# Altium PCB AmbiqAndromeda.PcbDoc (continued)
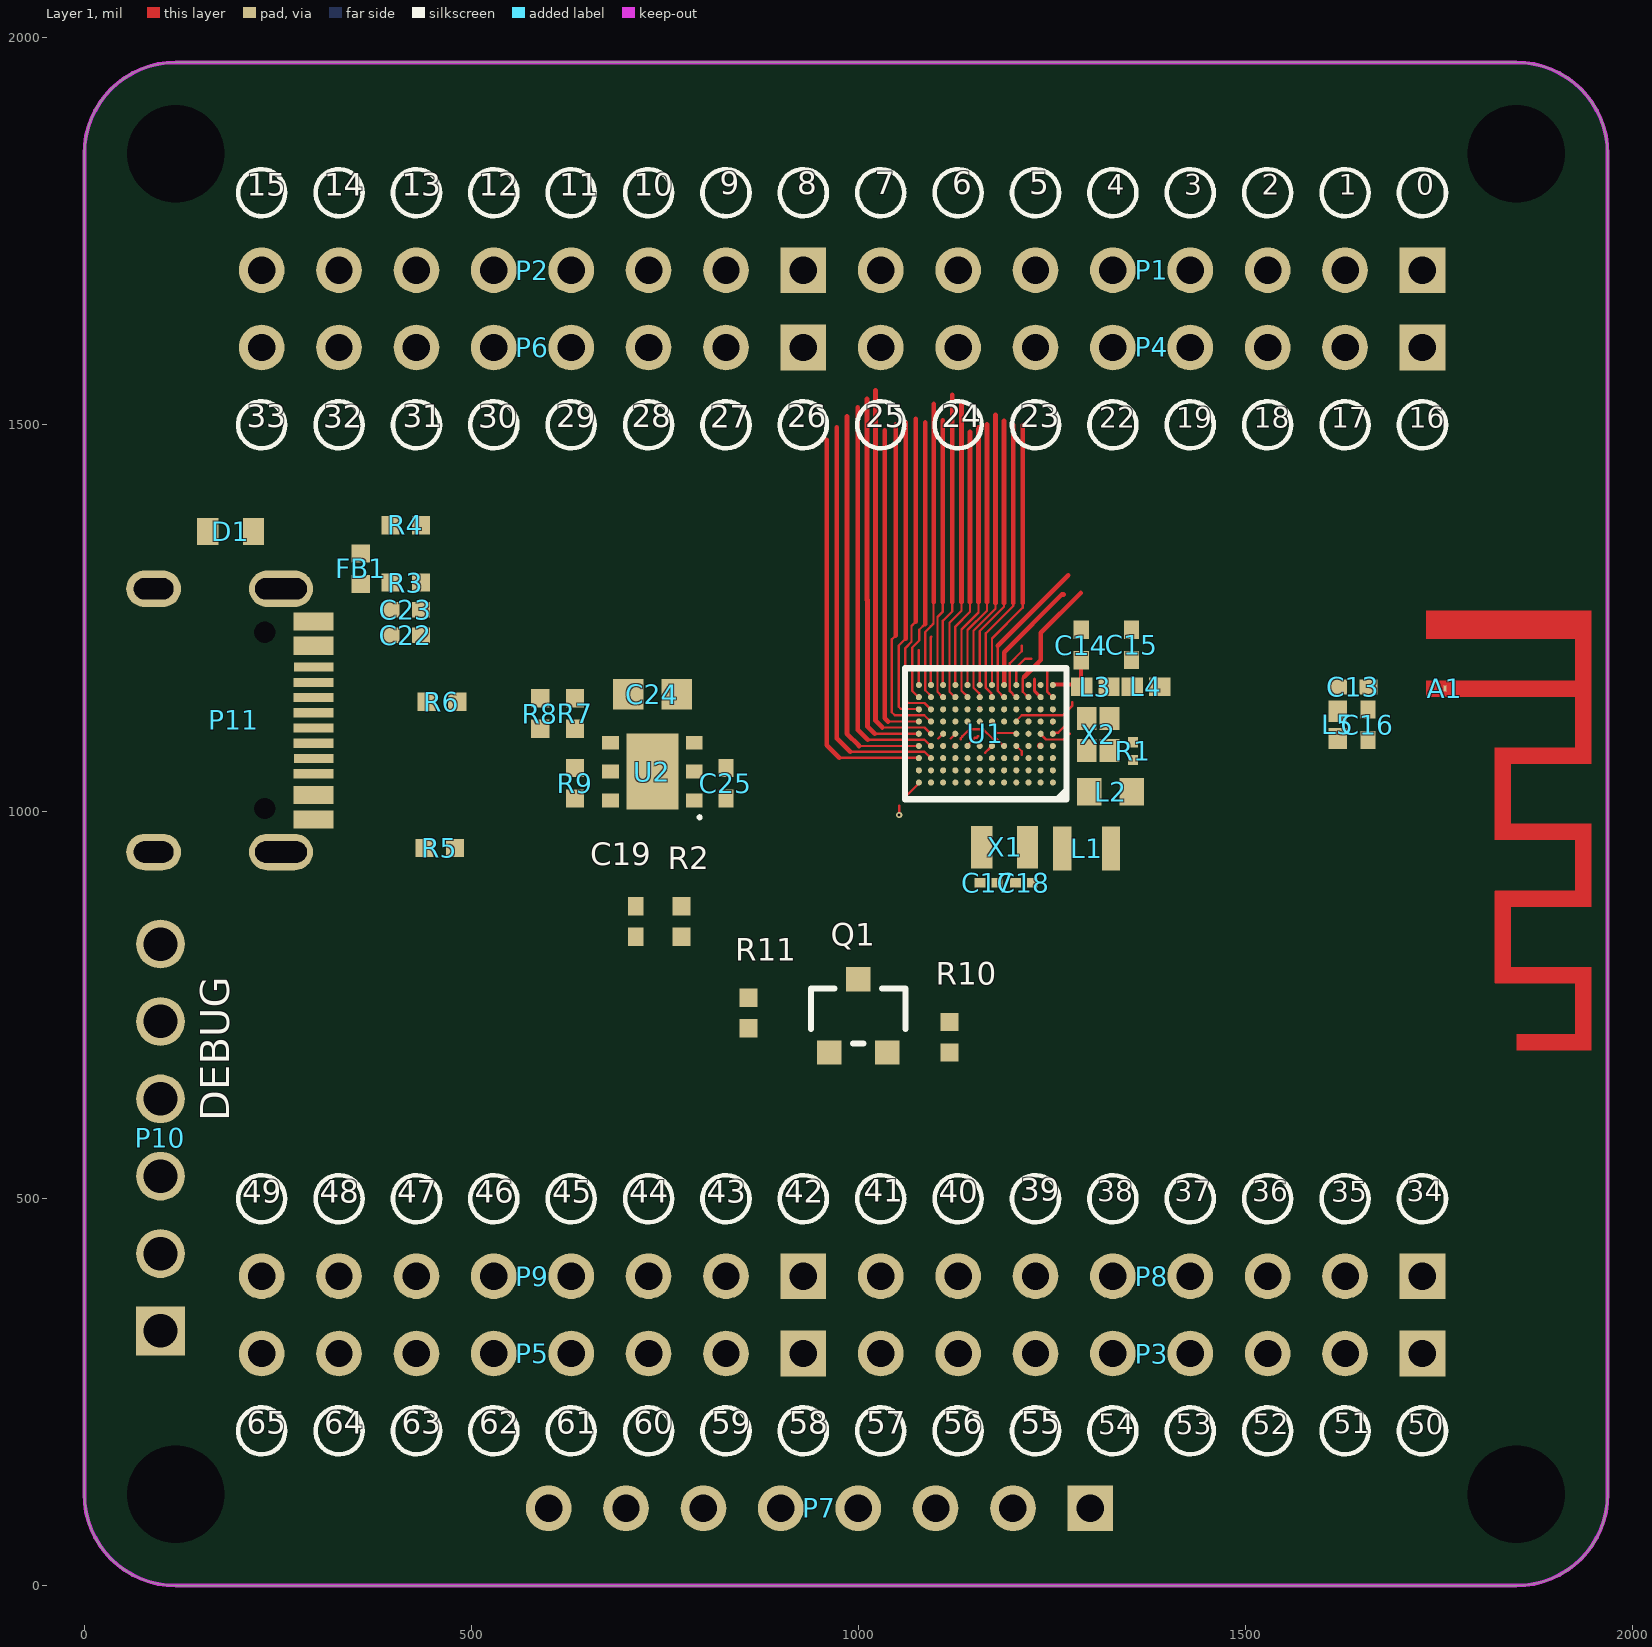
[diagram p0: Layer 1 view]
## Components (designator, comment, footprint, x,y, rotation, side; value= is the part's Value field where it differs from the comment)
A1 "PCB MIFA Antenna" MIFA_AMBIQ 1748.03,984.25 r270 top net-tie
C1 "47nF" CAPC0603L#1 1264.03,1117.11 r180 bottom
C2 "1uF" CAPC0603L#1 1264.24,1033.42 r180 bottom
C3 "1uF" CAPC0603L#1 1171.24,1102.42 r90 bottom
C4 "1uF" CAPC0603L#1 1198.24,1102.42 r270 bottom
C5 "1uF" CAPC0603L#1 1212.31,1148.11 r0 bottom
C6 "2.2uF" CAPC0603L#1 1264.24,1061.42 r180 bottom
C7 "470nF" CAPC0603L#1 1168.24,1035.42 r180 bottom
C8 "2.2uF" CAPC0603L#1 1211.55,1007.46 r0 bottom
C9 "2.2uF" CAPC0603L#1 1211.31,1034.88 r0 bottom
C10 "2.2uF" CAPC0603L#1 1225.24,1102.42 r270 bottom
C11 "4.7uF" CAPC0603L#1 1264.24,1090.42 r180 bottom
C12 "1uF" CAPC0603L#1 1264.06,1148.11 r180 bottom
C13 "GRM1555C1H4R3BA01D" CAPC1005L 1639.76,1161.42 r0 top
C14 "NC" CAPC1005L 1288.24,1215.42 r90 top
C15 "GRM1555C1HR50BA01D" CAPC1005L 1353.24,1215.73 r90 top
C16 "GRM1555C1H1R8CA01D" CAPC1005L 1658.76,1112.42 r270 top
C17 "NC" CAPC0603L#2 1168.24,908.42 r180 top
C18 "NC" CAPC0603L#2 1214.24,908.42 r0 top
C19 "100nF" CAPC1005L 712.6,858.27 r90 top
C20 "NC" CAPC0603L#1 1310.06,1117.11 r0 bottom
C21 "NC" CAPC0603L#1 1309.06,1065.11 r180 bottom
C22 "100nF" CAPC1005L 415.41,1228.2 r0 top
C23 "1uF" CAPC1005L 415.41,1261.2 r0 top
C24 "10uF" CAPC1608N 734.07,1151.98 r180 top
C25 "1uF" CAPC1005L 829.07,1036.98 r270 top
D1 "BLUE" LEDC1608L 188.98,1362.2 r0 top
FB1 "BLM15HG601SN1D" FBDC1005L 357.18,1314.2 r90 top
L1 "2.2uH" BRC2012 1295.24,952.42 r0 top
L2 "1.0uH" DFE18SAN 1326.06,1026.11 r180 top
L3 "LQG15HS2N7S02D" INDC1005L 1306.49,1161.73 r0 top
L4 "LQG15HS2N0S02D" INDC1005L 1371.87,1161.74 r0 top
L5 "LQG15HS4N3S02D" INDC1005L 1619.76,1112.42 r90 top
P1 "Header 1X8" HEADER1X8 1379.13,1700 r180 top
P2 "Header 1X8" HEADER1X8 579.13,1700 r180 top
P3 "Header 1X8" HEADER1X8 1379.13,300 r180 top
P4 "Header 1X8" HEADER1X8 1379.13,1600 r180 top
P5 "Header 1X8" HEADER1X8 579.13,300 r180 top
P6 "Header 1X8" HEADER1X8 579.13,1600 r180 top
P7 "Header 1X8" HEADER1X8 950,100 r180 top
P8 "Header 1X8" HEADER1X8 1379.13,400 r180 top
P9 "Header 1X8" HEADER1X8 579.13,400 r180 top
P10 "61300611121" 61300611121 98.43,579.13 r90 top
P11 "TYPE-C-31-M-12" TYPE-C-31-M-12 192.91,1118.11 r270 top
Q1 "AO3400A" FP-SOT23-MFG 1000,736.22 r90 top
R1 "0R" RESC0603L 1355.24,1078.42 r270 top
R2 "10K" RESC1005L 771.65,858.27 r90 top
R3 "4K7" RESC1005L 415.41,1296.2 r0 top
R4 "2K2" RESC1005L 415.41,1370.2 r180 top
R5 "5K1" RESC1005L 459.18,953.2 r180 top
R6 "5K1" RESC1005L 462.18,1142.2 r180 top
R7 "1K2 1%" RESC1005L 634.07,1126.98 r270 top
R8 "30K 1%" RESC1005L 589.07,1126.98 r90 top
R9 "10K" RESC1005L 634.07,1036.98 r90 top
R10 "10K" RESC1005L 1118.11,708.66 r90 top
R11 "10K" RESC1005L 858.27,740.16 r90 top
U1 "APOLLO3BP" BGA104C40P12X9_530X430X80L 1164.94,1100.87 r0 top
U2 "LD39100PUR" DFN6 734.07,1051.98 r180 top
U3 "IPS154-12" "ZJY154T-PG04 FPC 0.7MM" 978.35,1295.28 r270 bottom
X1 "ABS06W-32.678kHz-D-2-T" ABS06W 1189.24,954.42 r180 top
X2 "520-ECS-320-8-47JTNT" ECX-1247 1310.06,1100.11 r90 top

## Footprints (in the part's own frame and the unit in brackets; to place one, negate y for a bottom-side part, rotate by r counter-clockwise, add the part's x,y. Pads: shape width x height; smd on the part's side, far side on the other; paste and mask are expansions set on the pad)
61300611121 [mm] "Pin Header, pitch 2.54 mm, THT, Vertical, single row, 6p"
  rect 1.6x1.6 hole 1.1: 1(-6.35,0)
  round 1.6 hole 1.1: 2(-3.81,0) 3(-1.27,0) 4(1.27,0) 5(3.81,0) 6(6.35,0)
  body extent -7.62,-1.27 7.62,1.27, height 8.57
ABS06W [mm]
  rect 0.7x1.4 smd: 1(-0.75,0) 2(0.75,0)
  body extent -1,-0.61 1,0.61, height 0.6
BGA104C40P12X9_530X430X80L [mm] "BGA, 104-Leads, Body 5.30x4.30mmx0.80mm, Pitch 0.40mm"
  round 0.2 smd mask+0.038: A1(2.2,-1.6) A2(1.8,-1.6) A3(1.4,-1.6) A4(1,-1.6) A5(0.6,-1.6) A6(0.2,-1.6) A7(-0.2,-1.6) A8(-0.6,-1.6) A9(-1,-1.6) A10(-1.4,-1.6) A11(-1.8,-1.6) A12(-2.2,-1.6) B1(2.2,-1.2) B2(1.8,-1.2) B3(1.4,-1.2) B4(1,-1.2) B5(0.6,-1.2) B6(0.2,-1.2) B7(-0.2,-1.2) B8(-0.6,-1.2) B9(-1,-1.2) B10(-1.4,-1.2) B11(-1.8,-1.2) B12(-2.2,-1.2) C1(2.2,-0.8) C2(1.8,-0.8) C3(1.4,-0.8) C4(1,-0.8) C5(0.6,-0.8) C6(0.2,-0.8) C7(-0.2,-0.8) C8(-0.6,-0.8) C9(-1,-0.8) C10(-1.4,-0.8) C11(-1.8,-0.8) C12(-2.2,-0.8) D1(2.2,-0.4) D2(1.8,-0.4) D3(1.4,-0.4) D4(1,-0.4) D5(0.6,-0.4) D6(0.2,-0.4) D7(-0.2,-0.4) D8(-0.6,-0.4) D9(-1,-0.4) D10(-1.4,-0.4) D11(-1.8,-0.4) D12(-2.2,-0.4) E1(2.2,0) E2(1.8,0) E3(1.4,0) E4(1,0) E9(-1,0) E10(-1.4,0) E11(-1.8,0) E12(-2.2,0) F1(2.2,0.4) F2(1.8,0.4) F3(1.4,0.4) F4(1,0.4) F5(0.6,0.4) F6(0.2,0.4) F7(-0.2,0.4) F8(-0.6,0.4) F9(-1,0.4) F10(-1.4,0.4) F11(-1.8,0.4) F12(-2.2,0.4) G1(2.2,0.8) G2(1.8,0.8) G3(1.4,0.8) G4(1,0.8) G5(0.6,0.8) G6(0.2,0.8) G7(-0.2,0.8) G8(-0.6,0.8) G9(-1,0.8) G10(-1.4,0.8) G11(-1.8,0.8) G12(-2.2,0.8) H1(2.2,1.2) H2(1.8,1.2) H3(1.4,1.2) H4(1,1.2) H5(0.6,1.2) H6(0.2,1.2) H7(-0.2,1.2) H8(-0.6,1.2) H9(-1,1.2) H10(-1.4,1.2) H11(-1.8,1.2) H12(-2.2,1.2) J1(2.2,1.6) J2(1.8,1.6) J3(1.4,1.6) J4(1,1.6) J5(0.6,1.6) J6(0.2,1.6) J7(-0.2,1.6) J8(-0.6,1.6) J9(-1,1.6) J10(-1.4,1.6) J11(-1.8,1.6) J12(-2.2,1.6)
  silkscreen extent -2.65,-2.15 2.65,2.15, body extent -2.65,-2.15 2.65,2.15, height 0.8
BRC2012 [mm]
  rect 0.6x1.45 smd: 1(-0.8,0) 2(0.8,0)
  body extent -1.05,-0.75 1.05,0.75, height 1.7
CAPC0603L#1 [mm] "Chip Capacitor, Body 1.0x0.5mm, IPC High Density"
  rect 0.36x0.32 smd mask+0.102: 1(-0.28,0)
  rect 0.36x0.32 smd: 2(0.28,0)
  body extent -0.3,-0.16 0.3,0.16, height 0.31
CAPC0603L#2 [mm] "Chip Capacitor, Body 1.0x0.5mm, IPC High Density"
  rect 0.36x0.32 smd: 1(-0.28,0) 2(0.28,0)
  body extent -0.3,-0.16 0.3,0.16, height 0.31
CAPC1005L [mm] "Chip Capacitor, Body 1.0x0.5mm, IPC High Density"
  rect 0.6x0.5 smd: 1(-0.5,0) 2(0.5,0)
  body extent -0.5,-0.26 0.5,0.26, height 0.51
CAPC1608N [mm] "Chip Capacitor, Body 1.6x0.8mm, IPC Medium Density"
  rect 1x1 smd: 1(-0.8,0) 2(0.8,0)
  body extent -0.8,-0.41 0.8,0.41, height 0.81
DFE18SAN [mm]
  rect 0.8x0.9 smd: 1(-0.7,0) 2(0.7,0)
  body extent -0.8,-0.4 0.8,0.4, height 0.8
DFN6 [mm] "3x3"
  rect 0.55x0.45 smd: 1(-1.375,0.95) 2(-1.375,0) 3(-1.375,-0.95) 4(1.375,-0.95) 5(1.375,0) 6(1.375,0.95)
  rect 1.7x2.5 smd: 7(0,0)
  silkscreen extent -1.6,1.45 -1.5,1.55, body extent -1.55,-1.5 1.55,1.5, height 0.8
ECX-1247 [mm]
  rect 0.75x0.65 smd: 1(-0.525,-0.375) 2(0.525,-0.375) 3(0.525,0.375) 4(-0.525,0.375)
  body extent -0.8,-0.6 0.8,0.6, height 0.3
FBDC1005L [mm] "Ferrite Bead, Body 1.1x0.5mm, IPC High Density"
  rect 0.6x0.6 smd: 1(-0.5,0) 2(0.5,0)
  body extent -0.5,-0.25 0.5,0.25, height 0.5
FP-SOT23-MFG [mm]
  rect 0.8x0.8 smd paste+0 mask+0: 1(-1.2,0.95) 2(-1.2,-0.95) 3(1.2,0)
  silkscreen extent -0.9,-1.55 0.9,1.55, body extent -1.7,-1.78 1.7,1.78, height 0.25
HEADER1X8 [mm]
  rect 1.5x1.5 hole 0.9: 1(-8.89,0)
  round 1.5 hole 0.9: 2(-6.35,0) 3(-3.81,0) 4(-1.27,0) 5(1.27,0) 6(3.81,0) 7(6.35,0) 8(8.89,0)
  body extent -10.16,-1.27 10.16,1.27, height 8.54
INDC1005L [mm] "Chip Inductor, Body 1.0x0.5mm, IPC High Density"
  rect 0.7x0.6 smd: 1(-0.45,0) 2(0.45,0)
  body extent -0.5,-0.3 0.5,0.3, height 0.5
LEDC1608L [mm] "Chip LED, Body 1.6x0.8mm, IPC High Density"
  rect 0.7x0.9 smd: 1(-0.75,0) 2(0.75,0)
  body extent -0.8,-0.4 0.8,0.4, height 0.61
MIFA_AMBIQ [mm]
  rect 0.2x0.1 smd mask+0.102: 1(-4.445,0.254)
  Layer 1 region: -6.993,-0.354 -6.996,-0.354 -7,-0.352 -7.004,-0.348 -7.006,-0.343 -7.006,-0.341 -7.006,-0.341 -7.006,5.049 -7.006,5.052 -7.004,5.057 -7,5.06 -6.996,5.062 -6.993,5.062 -6.993,5.062 -1.993,5.062 -1.99,5.062 -1.986,5.06 -1.982,5.057 -1.98,5.052 -1.98,5.049 -1.98,5.049 -1.98,2.422 -0.006,2.422 -0.006,5.049 -0.006,5.052 -0.004,5.057 0,5.06 0.004,5.062 0.007,5.062 0.007,5.062 2.707,5.062 2.71,5.062 2.714,5.06 2.718,5.057 2.72,5.052 2.72,5.049 2.72,5.049 2.72,2.422 4.694,2.422 4.694,5.049 4.694,5.052 4.696,5.057 4.7,5.06 4.704,5.062 4.707,5.062 4.707,5.062 7.407,5.062 7.41,5.062 7.414,5.06 7.418,5.057 7.42,5.052 7.42,5.049 7.42,5.049 7.42,2.616 6.894,2.616 6.894,4.536 5.22,4.536 5.22,1.909 5.22,1.907 5.218,1.902 5.214,1.898 5.21,1.896 5.207,1.896 5.207,1.896 2.207,1.896 2.204,1.896 2.2,1.898 2.196,1.902 2.194,1.907 2.194,1.909 2.194,1.909 2.194,4.536 0.52,4.536 0.52,1.909 0.52,1.907 0.518,1.902 0.514,1.898 0.51,1.896 0.507,1.896 0.507,1.896 -2.493,1.896 -2.496,1.896 -2.5,1.898 -2.504,1.902 -2.506,1.907 -2.506,1.909 -2.506,1.909 -2.506,4.536 -4.18,4.536 -4.18,-0.341 -4.18,-0.343 -4.182,-0.348 -4.186,-0.352 -4.19,-0.354 -4.193,-0.354 -4.193,-0.354 -4.693,-0.354 -4.696,-0.354 -4.7,-0.352 -4.704,-0.348 -4.706,-0.343 -4.706,-0.341 -4.706,-0.341 -4.706,4.536 -6.08,4.536 -6.08,-0.341 -6.08,-0.343 -6.082,-0.348 -6.086,-0.352 -6.09,-0.354 -6.093,-0.354 -6.093,-0.354
RESC0603L [mm] "Chip Resistor, Body 0.6x0.3mm, IPC High Density"
  rect 0.34x0.32 smd: 1(-0.29,0) 2(0.29,0)
  body extent -0.3,-0.15 0.3,0.15, height 0.23
RESC1005L [mm] "Chip Resistor, Body 1.1x0.5mm, IPC High Density"
  rect 0.6x0.6 smd: 1(-0.5,0) 2(0.5,0)
  body extent -0.5,-0.25 0.5,0.25, height 0.3
TYPE-C-31-M-12 [mm]
  rect 0.3x1.3 smd: A1(-3.4,2.623) A4(-2.6,2.623) A5(-1.25,2.623) A6(-0.25,2.623) A7(0.25,2.623) A8(1.25,2.624) A9(2.6,2.623) A12(3.4,2.623) B1(3.1,2.623) B4(2.3,2.623) B5(1.75,2.623) B6(0.75,2.623) B7(-0.75,2.623) B8(-1.75,2.624) B9(-2.3,2.623) B12(-3.1,2.623)
  oval 1.2x2.1 hole 0.7 slot 1.7 at 90 deg: MH(-4.32,1.556) MH(4.32,1.556)
  oval 1.2x1.8 hole 0.7 slot 1.3 at 90 deg: MH(-4.32,-2.624) MH(4.32,-2.624)
  round 0.1 hole 0.7 unplated: MH(-2.89,1.026) MH(2.89,1.026)
  body extent -4.47,-5.25 4.47,2.65, height 3.21
"ZJY154T-PG04 FPC 0.7MM" [mm]
  rect 3x0.35 smd: 1(0,3.85) 2(0,3.15) 3(0,2.45) 4(0,1.75) 5(0,1.05) 6(0,0.35) 7(0,-0.35) 8(0,-1.05) 9(0,-1.75) 10(0,-2.45) 11(0,-3.15) 12(0,-3.85)

## Part data
A1: library part ANT_PCB, "2.4G Printed Antenna"
C1 C2 C3 C4 C5 C6 C7 C8 C9 C10 C11 C12 C13 C14 C15 C16 C17 C18 C19 C20 C21 C22 C23 C24 C25: library part CAP_CHP, "Surface Mount Unpolarized Capacitor"
D1: library part LED_SMD, "Surface Mount LED"
FB1: library part FBD_CHP, "Surface Mount Ferrite Bead"
L1: library part IND_PWR, "DFE201610E-2R2M=P2"
L2: library part IND_PWR, "DFE18SAN1R0MG0L"
L3 L4 L5: library part IND_CHP, "Chip Inductor"
P1 P2 P3 P4 P5 P6 P7 P8 P9: library part HDR1X8
P10: library part CMP-1502-01070-1, "THT Vertical Pin Header WR-PHD, Pitch 2.54 mm, Single Row, 6 pins", Contact Resistance=20mOhm, Manufacturer="Wurth Elektronik", Operating Temperature=-40to105degC, Rated Current=3A, Withstanding Voltage=500VAC, Working Voltage=250VAC, Datasheet URL=https://katalog.we-online.de/em/datasheet/6130xx11121.pdf, Gender=Male, Manufacturer URL=http://www.we-online.de, Mounting Technology=THT, Orientation=Vertical, Package Reference=61300611121, Packaging=Bag, Part Number=61300611121, Pin Number=6, Pitch=2.54mm, Publisher=WurthElektronik, Row Number=Single
P11: "USB Type-C Connector"
Q1: library part CMP-83955-000006-1, "MOSFET N-CH 30V 5.7A SOT23", Case/Package=SOT-23, Continuous Drain Current (ID)=5.7A, Drain to Source Voltage (Vdss)=30V, Gate to Source Voltage (Vgs)=12V, Input Capacitance=630pF, Max Operating Temperature=150°C, Max Power Dissipation=1.4W, Min Operating Temperature=-55°C, Lead Free="Lead Free", Mount="Surface Mount", Number of Elements=1, Number of Pins=3, Packaging="Tape and Reel", Power Dissipation=1.4W, Radiation Hardening=No, Rds On Max=26.5mR
R1 R2 R3 R4 R5 R6 R7 R8 R9 R10 R11: library part RES_CHP, "Surface Mount Resistor"
U1: library part APOLLO3BP-BGA, "APOLLO3 Blue Plus", Manufacturer="Ambiq Micro", Part Number=APOLLO3BP
U2: "Voltage Regulator, 1A, Low Quiescent Current  ,DFN6 Tape&Reel"
X1: "32.768KHZ IoT OPTIMIZED SMD CRYSTA"
X2: library part ECX-1247, "XTAL 32MHZ 8pF 20ppm  1.6mm x 1.2mm x 0.35mm SMT"

## Free pads (board coordinates)
  rect 23.62x57.09 hole 125.98 unplated: MH(118.11,118.11) MH(118.11,1850.39) MH(1850.39,118.11) MH(1850.39,1850.39)

## Via types
v1: diameter 8, hole 4, Layer 1 to Layer 4, 1 vias

## Nets (pads, with @x,y where several pads share a name; then routed paths per layer and width w, separated by ;. In a path a pad name is that pad's centre, name@x,y a point inside that pad or via, vN(x,y) a via of type N, cw(c..) or ccw(c..) an arc to the next point about the centre after c; other vN are vias at no path point)
5V_USB: C22.2 C23.2 C25.2 FB1.2 R3.2 R4.1 U2.1 U2.6
32K_NCE47_CT26_M5MOSI_RX1_GP47: P9.6 U1.H10 | length 363.2
  Layer 1 w3: U1.H10@1109.04,1148.48 1102.39,1155.13 1102.39,1251.71 1109.46,1258.78 1109.46,1270.78
  Layer 1 w6: 1109.46,1270.78 1109.46,1506
ADC0NSE9_NCE12_CT0_SCE_PDMC_CTS0_TX1_GP12: P2.5 U1.A7
ADC0PSE8_NCE13_CT2_I2SB_EXHFB_RTS0_RX1_GP13: P2.6 U1.B7
ADC1N_NCE15_RX1_PDMD_EXXT_SWDIO_SWO_GP15: P2.8 U1.C6
ADC1P_NCE14_TX1_PDMC_EXHFS_SWDCK_32K_GP14: P2.7 U1.C7
ADCSE0_NCE16_TRG0_SCCRST_CMPI0_TX0_RTS1_GP16: P4.1 U1.F3
ADCSE1_NCE29_CT9_CTS0_CTS1_RX0_PDMD_GP29: P6.4 U1.A5
ADCSE2_NCE11_CT31_SINT_CTS1_RX0_PDMD_GP11: P2.4 U1.B5
ADCSE3_NCE31_CT13_RX0_SCCCLK_BLEMISO_RTS1_GP31: P6.6 U1.D5 | length 70.5
  Layer 1 w3: 1132.46,1093.78 1132.46,1095.14 1134.63,1097.31 1134.63,1097.63 1143.78,1106.78 1161.44,1106.78 1173.94,1094.28 1178.98,1094.28 U1.D5@1187.78,1085.49
ADCSE4_NCE32_CT15_SCCIO_EXLF_BLEMOSI_CTS1_GP32: P6.7 U1.B6
ADCSE5_NCE33_32K_BLECSN_CTS0_CT23_SWO_GP33: P6.8 U1.C5
ADCSE6_NCE34_RTS1_CMPR2_RTS0_RX0_PDMD_GP34: P8.1 U1.D6 | length 12.7
  Layer 1 w3: 1164.18,1076.51 1170.18,1082.51 1170.18,1082.64 1172.32,1084.78 1172.46,1084.78 1172.03,1085.21 U1.D6@1172.03,1085.49
ADCSE7_NCE35_TX1_I2SD_CT27_RTS0_BLESTATUS_GP35: P8.2 U1.E4 | length 26.7
  Layer 1 w3: 1177.46,1102.78 1178.46,1102.78 1179.3,1101.95 1202.82,1101.95 U1.E4@1203.53,1101.24
ATST1_NCE30_CT11_TX0_RTS1_BLESCK_I2SD_GP30: P6.5 U1.F4 | length 86.2
  Layer 1 w3: U1.F4@1203.53,1116.99 1211.41,1124.87 1235.28,1124.87 1235.31,1124.83 1264.51,1124.83 1276.46,1136.78 1276.46,1141.78
CMPI1_NCE18_CT4_RTS0_ATST2_TX1_SCCIO_GP18: P4.3 U1.D4 | length 15.8
  Layer 1 w3: U1.D4@1203.53,1085.49 1204.16,1085.49 1211.46,1078.2 1211.46,1073.42
CMPR0_NCE19_CT6_SCCCLK_ATST1_RX1_I2SB_GP19: P4.4 U1.F2 | length 0
CMPR1_NCE17_TRG1_SCCCLK_RX0_CTS1_GP17: P4.2 U1.E3
CST1_NCE45_CT22_I2SD_PDMD_RX0_SWO_GP45: P9.4 U1.H8 | length 360.4
  Layer 1 w3: U1.H8@1140.53,1148.48 1140.53,1149.48 1133.6,1156.41 1133.6,1235.56 1155.46,1257.42 1155.46,1270.78
  Layer 1 w6: 1155.46,1270.78 1155.46,1497
CTS0_SINT_NCE4_RX1_CT17_MISP2_GP4: P1.5 U1.A11
DVDD: C1.2 U1.F1 | length 3.7
  Layer 1 w3: U1.F1@1250.77,1116.99 1250.94,1116.99 1251.46,1116.46 1251.12,1116.12 1251.08,1116.09 U1.F1@1251.08,1113.82
EXHF_NCE26_CT3_SCCRST_MSPI1_TX0_CTS1_GP26: P6.1 U1.A10
GND: C1.1 C2.1 C3.1 C4.1 C5.1 C6.1 C7.1 C8.1 C9.1 C10.1 C11.1 C12.1 C14.2 C15.2 C16.2 C17.2 C18.2 C19.2 C20.2 C21.2 C22.1 C23.1 C24.1 C25.1 D1.1 L5.1 P10.2 P11.A1 P11.A12 P11.B1 P11.B12 P11.MH@89.6,948.03 P11.MH@89.6,1288.19 P11.MH@254.17,948.03 P11.MH@254.17,1288.19 pad.MH@118.11,118.11 pad.MH@118.11,1850.39 Q1.2 R3.1 R5.1 R6.1 R9.1 R11.2 U1.B2 U1.C4 U1.D2 U1.F5 U1.G1 U1.H2 U1.J2 U1.J3 U2.2 U2.7 U3.1 U3.5 U3.6 U3.12 X2.2 X2.4 | length 27.2
  Layer 1 w4: 1228,1171.52 1228,1155.92 U1.H2
  Layer 1 w8: U1.D2@1235.02,1085.49 1235.16,1085.49 U1.D2@1235.46,1085.78
I2SB_NCE46_CT24_SCCRST_PDMC_TX1_SWO_GP46: P9.5 U1.H9 | length 390.7
  Layer 1 w3: U1.H9@1124.78,1148.48 1118,1155.27 1118,1244.33 1133.46,1259.78 1133.46,1270.78
  Layer 1 w6: 1133.46,1270.78 1133.46,1530
I2SW_NCE28_CT7_M2MOSI_TX0_GP28: P6.3 U1.A9
M0SCL_M0SCK_RTS0_EXHFA_CT8_GP5: P1.6 U1.D8 | length 20.3
  Layer 1 w3: U1.D8@1140.53,1085.49 1150.82,1095.77 1153.1,1095.77 1155.11,1097.78 1154.46,1097.78
M0SDA_M0MISO_CTS0_CT10_I2SD_GP6: P1.7 U1.C9 | length 0.2
  Layer 1 w3: U1.C9@1124.5,1069.74 U1.C9@1124.62,1069.62
M1SCL_M1SCK_NCE8_SCCCLK_TX1_GP8: P2.1 U1.E10 | length 8.5
  Layer 1 w3: 1103.46,1094.78 U1.E10@1109.46,1100.78
M1SDA_M1MISO_NCE9_SCCIO_RX1_GP9: P2.2 U1.D9 | length 1
  Layer 1 w6: U1.D9@1124.05,1084.78 U1.D9@1124.75,1085.49
MCU_ADCREF: C7.2 U1.A6
MSPI1_0_NCE51_CT1_GP51: P3.2 U1.B11
MSPI1_1_NCE52_CT2_GP52: P3.3 U1.B12
MSPI1_2_NCE53_CT3_GP53: P3.4 U1.D10 | length 1.8
  Layer 1 w3: U1.D10@1109.04,1084.21 1108.46,1084.78 1109.04,1085.36 U1.D10@1109.04,1085.49
MSPI1_3_NCE54_CT4_GP54: P3.5 U1.C10
MSPI1_4_NCE55_CT5_GP55: P3.6 U1.E11 | length 504.7
  Layer 1 w3: 1031.24,1109 1085.53,1109 U1.E11@1093.29,1101.24
  Layer 1 w6: 1022.45,1544.79 1022.45,1117.79 1031.24,1109
MSPI1_5_NCE56_CT6_GP56: P3.7 U1.D11 | length 519.2
  Layer 1 w3: 1012.24,1093 1085.78,1093 U1.D11@1093.29,1085.49
  Layer 1 w6: 999.46,1522.78 999.46,1105.78 1012.24,1093
MSPI1_6_NCE57_CT7_GP57: P3.8 U1.C11 | length 534.1
  Layer 1 w3: 989.56,1077.69 1085.76,1077.69 U1.C11
  Layer 1 w6: 972.46,1496.78 972.46,1094.78 989.56,1077.69
MSPI1_7_NCE58_CT8_GP58: P5.1 U1.E12 | length 493.8
  Layer 1 w3: 1021.37,1100.87 U1.E12
  Layer 1 w6: 1011.46,1273.78 1011.46,1533.78 ; 1011.95,1273.78 1011.95,1110.29 1021.37,1100.87
MSPI1_8_NCE59_CT9_GP59: P5.2 U1.D12 | length 509.4
  Layer 1 w3: 1001.12,1085.12 U1.D12
  Layer 1 w6: 985.46,1510.78 985.46,1100.78 1001.12,1085.12
MSPI1_9_NCE60_CT10_GP60: P5.3 U1.C12 | length 519.7
  Layer 1 w3: 975.5,1069.74 U1.C12@1077.54,1069.74
  Layer 1 w6: 959.46,1480.78 959.46,1085.78 975.5,1069.74
MSPI2_0_NCE64_CT14_GP64: P5.7 U1.F12 | length 417
  Layer 1 w3: 1038.46,1116.78 1077.34,1116.78 U1.F12@1077.54,1116.99
  Layer 1 w6: 1034.46,1493 1034.46,1120.78 1038.46,1116.78
MSPI2_1_NCE65_CT15_GP65: P5.8 U1.F11 | length 429
  Layer 1 w3: 1048.46,1227.78 1043.46,1222.78 1043.46,1128.78 1047.41,1124.83 1085.44,1124.83 U1.F11@1093.29,1116.99
  Layer 1 w6: 1048.46,1227.78 1048.46,1501
MSPI2_2_NCE66_CT16_GP66: P7.1 U1.G12 | length 397.3
  Layer 1 w3: 1061.46,1223.78 1052.46,1214.78 1052.46,1135.78 1055.46,1132.78 1077.49,1132.78 U1.G12@1077.54,1132.73
  Layer 1 w6: 1061.46,1223.78 1061.46,1503
MSPI2_3_NCE67_CT17_GP67: P7.2 U1.G11 | length 407.3
  Layer 1 w3: 1064.46,1140.58 1085.86,1140.58 U1.G11 ; 1064.46,1140.78 1060.96,1144.28 1060.96,1211.79 1068.96,1219.79 1068.96,1240.28 1074.46,1245.78
  Layer 1 w6: 1074.46,1245.78 1074.46,1508
MSPI2_4_NCE68_CT18_GP68: P7.3 U1.G10 | length 1.1
  Layer 1 w3: U1.G10@1109.04,1132.73 1109.04,1132.21 U1.G10@1109.46,1131.78
NCE7_M0MOSI_CKO_TRG0_TX0_CT19_GP7: P1.8 U1.C8
NCE41_BLEIRQ_SWO_I2SW_RTS1_TX0_RTS0_GP41: P8.8 P10.5 U1.D7
NetA1_1: A1.1 C13.2 C16.1
NetC8_2: C8.2 U1.A3
NetC9_2: C9.2 U1.B3
NetC10_2: C10.2 U1.D3
NetC11_2: C11.2 L2.1 R1.2 U1.D1 | length 0.7
  Layer 1 w4: U1.D1@1250.77,1085.49 U1.D1@1251.5,1085.49
NetC12_2: C12.2 R1.1 U1.H1 | length 38.3
  Layer 1 w3: 1245,1183 1244.12,1182.12 1244.12,1155.55 U1.H1
NetC13_1: C13.1 L4.2 L5.2
NetC14_1: C14.1 L3.1 U1.J1 | length 73.5
  Layer 1 w5: L3.1@1287.99,1162.1 1287.99,1164.48 C14.1@1287.99,1200.63
  Layer 1 w5.51: U1.J1@1252.25,1164.48 L3.1@1285.6,1164.48
  Layer 1 w6.25: U1.J1@1250.77,1164.23 1252,1164.23 U1.J1@1252.25,1164.48
NetC15_1: C15.1 L3.2 L4.1
NetC17_1: C17.1 U1.B4 X1.2
NetC18_1: C18.1 U1.A4 X1.1
NetC20_1: C20.1 U1.E1 X2.3 | length 25
  Layer 1 w3: U1.E1@1250.77,1101.24 1251.8,1102.27 1258.37,1102.27 1270.39,1114.28
NetC21_1: C21.1 U1.E2 X2.1 | length 44.7
  Layer 1 w3: U1.E2@1235.02,1101.24 1242.87,1093.39 1266.07,1093.39 1273.46,1100.78
NetD1_2: D1.2 R4.2
NetL1_1: L1.1 U1.A2
NetL1_2: L1.2 U1.A1
NetL2_2: L2.2 U1.C1
NetP11_A5: P11.A5 R6.2
NetP11_B5: P11.B5 R5.2
NetQ1_3: Q1.3 R10.2
NetR7_1: R7.1 R8.2
NetR8_1: R8.1 R9.2 U2.5
nRST: C19.1 P10.6 R2.2 U1.G7 | length 1.3
  Layer 1 w6: U1.G7@1156.41,1132.73 1157.1,1133.43 U1.G7@1157.1,1133.78
RTS0_SCE_NCE3_MSPI7_TRG1_I2SW_GP3: P1.4 U1.G3
RTS1_NCE44_CT20_M4MOSI_TX0_GP44: P9.3 U1.J10 | length 379.9
  Layer 1 w3: U1.J10@1109.04,1164.23 1109.46,1164.65 1109.46,1246.78 1121.46,1258.78 1121.46,1270.78
  Layer 1 w6: 1121.46,1270.78 1121.46,1539
RX0_NCE23_CT14_I2SW_CMP0_MSPI3_EXXT_GP23: P4.6 U1.A12 | length 38.4
  Layer 1 w3: v1(1053,996) 1053,1008 ; 1060.61,1018.84 1078.33,1036.56 U1.A12
RX0_NCE27_CT5_M2SCL_M2SCK_GP27: P6.2 U1.B8
RX0_NCE49_CT30_M5SDA_M5MISO_GP49: P9.8 U1.H12 | length 364.5
  Layer 1 w3: U1.H12@1077.54,1148.48 1069.96,1156.06 1069.96,1212.31 1079,1221.35 1079,1235.33 1086.46,1242.78
  Layer 1 w6: 1086.46,1242.78 1086.46,1503
RX0_RX1_TRG0_M4SDA_M4MISO_GP40: P8.7 U1.J12 | length 45
  Layer 1 w3: U1.J12@1077.54,1164.23 1077.46,1164.31 1078.46,1165.31 1078.46,1208.78
RX1_NCE25_CT1_M2SDA_M2MISO_GP25: P4.8 U1.A8
RX1_NCE43_CT18_M3SDA_M3MISO_GP43: P9.2 U1.J8 | length 347.6
  Layer 1 w3: U1.J8 1141.32,1234.79 1166.46,1259.93 1166.46,1270.78
  Layer 1 w6: 1166.46,1270.78 1166.46,1501
RX1_SMISO_RX0_MSPI6_NCE2_GP2: P1.3 U1.J4 | length 46.5
  Layer 1 w3: U1.J4 1204.31,1186.64 1215.46,1197.78 1223.46,1197.78
SCR_BLK: Q1.1 R11.1
SCR_CS: U3.8
SCR_DC: U3.7
SCR_LEDK: R10.1 U3.2
SCR_RES: U3.11
SCR_SCL: U3.9
SCR_SDA: U3.10
SSCL_SSCK_CKO_MSPI4_NCE0_GP0: P1.1 U1.G4
SSDA_SMOSI_TX0_MSPI5_NCE1_GP1: P1.2 U1.H4 | length 75.8
  Layer 1 w3: U1.H4@1203.46,1148.48 1196,1155.94 1196,1192.11 1211.46,1207.57 1211.46,1214.78
SWDCK_NCE20_TX0_TX1_I2SB_RTS1_GP20: P10.4 U1.F8 | length 1.4
  Layer 1 w3: U1.F8@1139.33,1115.78 1140.08,1116.53 U1.F8@1140.33,1116.78
SWDIO_NCE21_RX0_RX1_SCCRST_CTS1_GP21: P10.3 U1.F7
SWO_NCE50_CT0_TX0_RX0_TX1_RX1_GP50: P3.1 U1.J6 | length 352.6
  Layer 1 w3: U1.J6 1172.81,1224.14 1212.46,1263.78 1212.46,1269.78
  Layer 1 w6: 1212.46,1269.78 1212.46,1500
SWO_NCE61_CT11_TX0_RX0_TX1_RX1_GP61: P5.4 U1.H6 | length 369.1
  Layer 1 w3: U1.H6@1172.03,1148.48 1171.81,1148.71 1171.81,1153.36 1165,1160.16 1165,1230.65 1200.46,1266.11 1200.46,1269.78
  Layer 1 w6: 1200.46,1269.78 1200.46,1500
SWO_NCE62_CT12_CTS0_RTS0_CTS1_RTS1_GP62: P5.5 U1.G6
SWO_NCE63_CT13_CTS0_RTS0_CTS1_RTS1_GP63: P5.6 U1.H7 | length 379.3
  Layer 1 w3: U1.H7@1156.28,1148.48 1156.28,1153.13 1149,1160.42 1149,1233.99 1177.46,1262.45 1177.46,1269.78
  Layer 1 w6: 1177.46,1269.78 1177.46,1513
SWO_NCE69_CT19_TX0_RX0_TX1_RX1_GP69: P7.4 U1.G9
SWO_NCE70_CT20_TX0_RX0_TX1_RX1_GP70: P7.5 U1.F9
SWO_NCE71_CT21_TX0_RX0_TX1_RX1_GP71: P7.6 U1.J5 | length 150
  Layer 1 w6: U1.J5 1188.56,1206.03 1263.32,1280.78 1265.39,1280.78
SWO_NCE72_CT22_TX0_RX0_TX1_RX1_GP72: P7.7 U1.H5 | length 198.2
  Layer 1 w3: 1180.25,1214.58 1180.25,1156.01 U1.H5@1187.78,1148.48
  Layer 1 w6: 1180.25,1214.58 1271.46,1305.78
SWO_NCE73_CT23_CTS0_RTS0_CTS1_RTS1_GP73: P7.8 U1.G5
TRG1_NCE36_RX1_32K_CTS1_CTS0_PDMD_GP36: P8.3 U1.G8
TRG2_NCE37_RTS0_SCCIO_TX1_PDMC_CT29_GP37: P8.4 U1.E9 | length 8.6
  Layer 1 w3: 1119.48,1094.78 U1.E9
TRIG3_NCE38_CTS0_M3MOSI_RX1_GP38: P8.5 U1.J7 | length 354.1
  Layer 1 w3: U1.J7 1157.07,1233.57 1188.46,1264.96 1188.46,1269.78
  Layer 1 w6: 1188.46,1269.78 1188.46,1505
TX0_NCE22_CT12_PDMC_EXLF_MSPI0_SWO_GP22: P4.5 U1.B10
TX0_NCE48_CT28_M5SCL_M5SCK_GP48: P9.7 U1.H11 | length 385.8
  Layer 1 w3: U1.H11@1093.29,1148.48 1093.29,1150.22 1091.88,1151.62 1091.88,1151.86 1086.64,1157.1 1086.64,1232.36 1093.96,1239.68 1093.96,1239.81 1097.39,1243.24 1097.39,1270.71 1097.46,1270.78
  Layer 1 w6: 1097.46,1270.78 1097.46,1527
TX0_TX1_CT25_M4SCL_M4SCK_GP39: P8.6 U1.J11 | length 61.4
  Layer 1 w3: 1094.26,1226.18 1093.66,1225.58 1093.66,1166.2 U1.J11@1094.46,1165.4
TX1_M1MOSI_NCE10_PDMC_RTS1_GP10: P2.3 U1.F10
TX1_NCE24_MSPI8_CTS0_CT21_32K_SWO_GP24: P4.7 U1.B9
TX1_NCE42_CT16_M3SCL_M3SCK_GP42: P9.1 U1.J9 | length 335
  Layer 1 w3: U1.J9 1125.57,1239.56 1144.46,1258.45 1144.46,1270.78
  Layer 1 w6: 1144.46,1270.78 1144.46,1491
TXEN: U1.H3 | length 168.1
  Layer 1 w3: 1214.46,1174.78 1212.62,1172.95 1212.62,1155.13 U1.H3@1219.27,1148.48
  Layer 1 w6: 1214.46,1174.78 1229.3,1189.62 ; 1229.37,1189.55 1236,1196.18 1236,1231.33 1287.46,1282.78
VBUS: FB1.1 P11.A4 P11.A9 P11.B4 P11.B9
VDD_EXP: C2.2 C3.2 C4.2 C5.2 C6.2 C24.2 P10.1 R2.1 R7.2 U1.B1 U1.C2 U1.C3 U1.F6 U1.G2 U2.4 U3.3 U3.4 | length 4.2
  Layer 1 w3: U1.F6@1172.03,1116.99 1172.26,1116.99 U1.F6@1172.74,1116.51 ; U1.F6@1173.98,1115.28 U1.F6@1175.96,1115.28 ; U1.C3@1219.05,1069.97 U1.C3@1219.27,1069.74 ; U1.G2@1235.02,1132.73 U1.G2@1235.73,1133.44
pads on no net: P11.A6 P11.A7 P11.A8 P11.B6 P11.B7 P11.B8 P11.MH@233.3,1004.33 P11.MH@233.3,1231.89 U2.3

## Keep-outs
Keep-Out Layer:
  the board outline again, w5

## Other copper
Layer 1:
  pour cut-out: 1750.27,1358.31 1966.27,1358.22 1966.27,568.38 1751.29,568.22
Layer 3:
  pour cut-out: 1750.27,1358.31 1966.27,1358.22 1966.27,568.38 1751.29,568.22
Layer 2:
  pour cut-out: 1750.27,1358.31 1966.27,1358.22 1966.27,568.38 1751.29,568.22
Layer 4:
  pour cut-out: 1750.27,1354.37 1966.27,1354.29 1966.27,564.45 1751.29,564.29

## Silkscreen, mask and mechanical layers (free items; w line width, h text height)
Top Overlay:
  circle w6: c229.13,200 r30.41
  circle w6: c329.13,200 r30.41
  circle w6: c429.13,200 r30.41
  circle w6: c529.13,200 r30.41
  circle w6: c629.13,200 r30.41
  circle w6: c729.13,200 r30.41
  circle w6: c829.13,200 r30.41
  circle w6: c929.13,200 r30.41
  circle w6: c1729.13,200 r30.41
  circle w6: c1629.13,200 r30.41
  circle w6: c1529.13,200 r30.41
  circle w6: c1429.13,200 r30.41
  circle w6: c1329.13,200 r30.41
  circle w6: c1229.13,200 r30.41
  circle w6: c1129.13,200 r30.41
  circle w6: c1029.13,200 r30.41
  circle w6: c229.13,500 r30.41
  circle w6: c329.13,500 r30.41
  circle w6: c429.13,500 r30.41
  circle w6: c529.13,500 r30.41
  circle w6: c629.13,500 r30.41
  circle w6: c729.13,500 r30.41
  circle w6: c829.13,500 r30.41
  circle w6: c929.13,500 r30.41
  circle w6: c1729.13,500 r30.41
  circle w6: c1629.13,500 r30.41
  circle w6: c1529.13,500 r30.41
  circle w6: c1429.13,500 r30.41
  circle w6: c1329.13,500 r30.41
  circle w6: c1229.13,500 r30.41
  circle w6: c1129.13,500 r30.41
  circle w6: c1029.13,500 r30.41
  circle w6: c1029.13,1500 r30.41
  circle w6: c1129.13,1500 r30.41
  circle w6: c1229.13,1500 r30.41
  circle w6: c1329.13,1500 r30.41
  circle w6: c1429.13,1500 r30.41
  circle w6: c1529.13,1500 r30.41
  circle w6: c1629.13,1500 r30.41
  circle w6: c1729.13,1500 r30.41
  circle w6: c929.13,1500 r30.41
  circle w6: c829.13,1500 r30.41
  circle w6: c729.13,1500 r30.41
  circle w6: c629.13,1500 r30.41
  circle w6: c529.13,1500 r30.41
  circle w6: c429.13,1500 r30.41
  circle w6: c329.13,1500 r30.41
  circle w6: c229.13,1500 r30.41
  circle w6: c229.13,1800 r30.41
  circle w6: c329.13,1800 r30.41
  circle w6: c429.13,1800 r30.41
  circle w6: c529.13,1800 r30.41
  circle w6: c1429.13,1800 r30.41
  circle w6: c1529.13,1800 r30.41
  circle w6: c1729.13,1800 r30.41
  circle w6: c1329.13,1800 r30.41
  circle w6: c1629.13,1800 r30.41
  circle w6: c829.13,1800 r30.41
  circle w6: c729.13,1800 r30.41
  circle w6: c629.13,1800 r30.41
  circle w6: c1129.13,1800 r30.41
  circle w6: c929.13,1800 r30.41
  circle w6: c1229.13,1800 r30.41
  circle w6: c1029.13,1800 r30.41
  text "9" at 821.26,1788.19 h50
  text "8" at 921.26,1788.19 h50
  text "7" at 1021.26,1788.19 h50
  text "6" at 1121.26,1788.19 h50
  text "5" at 1221.26,1788.19 h50
  text "4" at 1321.26,1788.19 h45
  text "3" at 1421.26,1788.19 h45
  text "2" at 1521.26,1788.19 h45
  text "1" at 1621.26,1788.19 h45
  text "0" at 1721.26,1788.19 h45
  text "15" at 209.86,1786.63 h50
  text "14" at 309.86,1786.63 h50
  text "13" at 409.86,1786.63 h50
  text "12" at 509.86,1786.63 h50
  text "10" at 709.86,1786.63 h50
  text "11" at 613.91,1786.37 h50
  text "23" at 1209.69,1487.5 h50
  text "33" at 209.86,1487.43 h50
  text "32" at 309.01,1486.72 h50
  text "31" at 411.21,1487.42 h50
  text "29" at 609.78,1487.1 h50
  text "28" at 707.63,1487.12 h50
  text "27" at 808.94,1486.63 h50
  text "26" at 908.08,1487.15 h50
  text "25" at 1009.27,1487.31 h50
  text "24" at 1107.89,1487.31 h50
  text "22" at 1311.21,1487.42 h45
  text "19" at 1411.21,1487.42 h45
  text "18" at 1511.21,1487.42 h45
  text "17" at 1611.21,1487.42 h45
  text "16" at 1711.21,1487.42 h45
  text "30" at 509.32,1486.37 h50
  text "DEBUG" at 200,600 h65 r90
  text "39" at 1209.16,487.68 h50
  text "38" at 1309.16,487.68 h45
  text "37" at 1409.16,487.68 h45
  text "36" at 1509.16,487.68 h45
  text "34" at 1709.16,487.68 h45
  text "35" at 1611.22,487.34 h45
  text "41" at 1007.27,486.22 h50
  text "49" at 204.38,484.95 h50
  text "48" at 304.38,484.95 h50
  text "47" at 404.38,484.95 h50
  text "46" at 504.38,484.95 h50
  text "45" at 604.38,484.95 h50
  text "44" at 704.38,484.95 h50
  text "43" at 804.38,484.95 h50
  text "42" at 904.38,484.95 h50
  text "40" at 1104.38,484.95 h50
  text "51" at 1614.82,187.8 h45
  text "65" at 210.11,186.78 h50
  text "64" at 310.11,186.78 h50
  text "63" at 410.11,186.78 h50
  text "62" at 510.11,186.78 h50
  text "61" at 610.11,186.78 h50
  text "60" at 710.11,186.78 h50
  text "59" at 810.11,186.78 h50
  text "58" at 910.11,186.78 h50
  text "57" at 1010.11,186.78 h50
  text "56" at 1110.11,186.78 h50
  text "55" at 1210.11,186.78 h50
  text "54" at 1310.11,186.78 h45
  text "53" at 1410.11,186.78 h45
  text "52" at 1510.11,186.78 h45
  text "50" at 1710.11,186.78 h45